# KiCad board pcb-panel.kicad_pcb (continued)
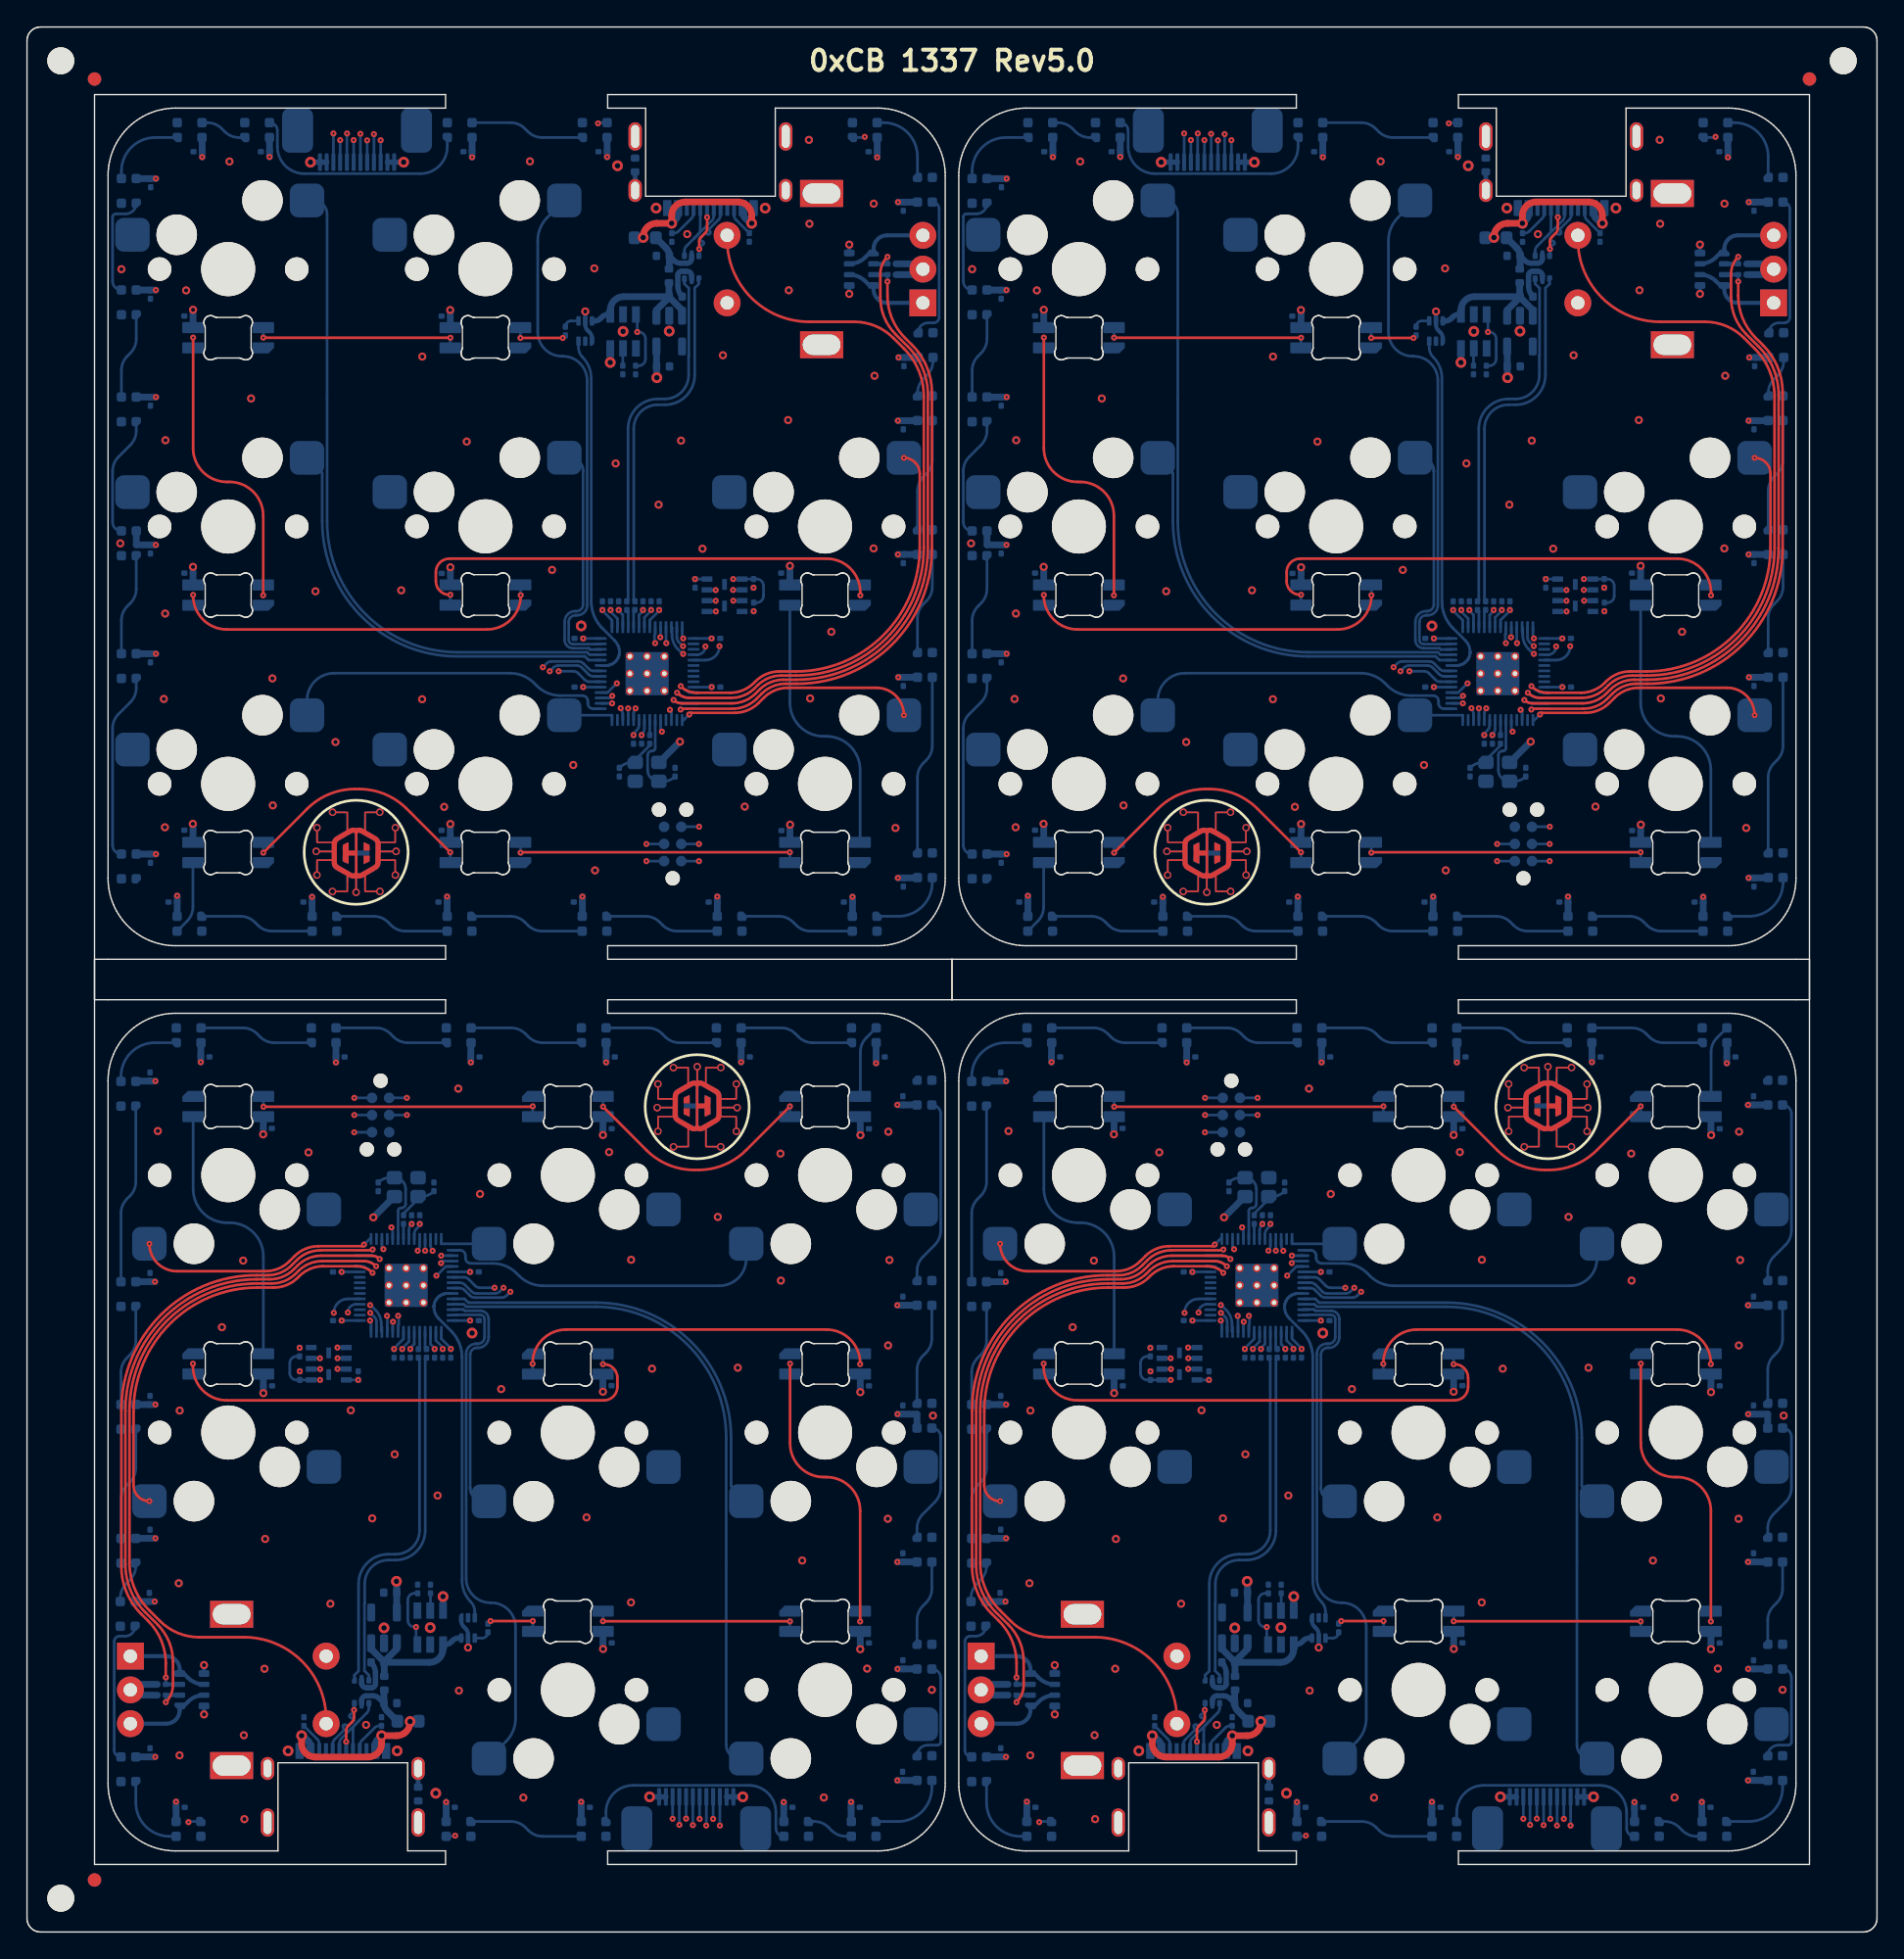
[diagram p0: board, top side]
## Placement (name value [footprint] x y rotation side) (continued)
D24#4  WS2812B  [LED_WS2812B-2020_PLCC4_2.0x2.0mm]  70.51 62.04 90 bottom
D25  WS2812B  [LED_WS2812B-2020_PLCC4_2.0x2.0mm]  66.46 62.13 270 bottom
D25#2  WS2812B  [LED_WS2812B-2020_PLCC4_2.0x2.0mm]  129.46 62.13 270 bottom
D25#3  WS2812B  [LED_WS2812B-2020_PLCC4_2.0x2.0mm]  7.54 78.87 90 bottom
D25#4  WS2812B  [LED_WS2812B-2020_PLCC4_2.0x2.0mm]  70.54 78.87 90 bottom
D26  WS2812B  [LED_WS2812B-2020_PLCC4_2.0x2.0mm]  11.97 66.37 0 bottom
D26#2  WS2812B  [LED_WS2812B-2020_PLCC4_2.0x2.0mm]  74.97 66.37 0 bottom
D26#3  WS2812B  [LED_WS2812B-2020_PLCC4_2.0x2.0mm]  62.03 74.63 180 bottom
D26#4  WS2812B  [LED_WS2812B-2020_PLCC4_2.0x2.0mm]  125.03 74.63 180 bottom
D27  WS2812B  [LED_WS2812B-2020_PLCC4_2.0x2.0mm]  115.03 74.63 180 bottom
D27#2  WS2812B  [LED_WS2812B-2020_PLCC4_2.0x2.0mm]  84.97 66.37 0 bottom
D27#3  WS2812B  [LED_WS2812B-2020_PLCC4_2.0x2.0mm]  52.03 74.63 180 bottom
D27#4  WS2812B  [LED_WS2812B-2020_PLCC4_2.0x2.0mm]  21.97 66.37 0 bottom
D28  WS2812B  [LED_WS2812B-2020_PLCC4_2.0x2.0mm]  42.03 74.63 180 bottom
D28#2  WS2812B  [LED_WS2812B-2020_PLCC4_2.0x2.0mm]  94.97 66.37 0 bottom
D28#3  WS2812B  [LED_WS2812B-2020_PLCC4_2.0x2.0mm]  105.03 74.63 180 bottom
D28#4  WS2812B  [LED_WS2812B-2020_PLCC4_2.0x2.0mm]  31.97 66.37 0 bottom
D29  WS2812B  [LED_WS2812B-2020_PLCC4_2.0x2.0mm]  41.97 66.37 0 bottom
D29#2  WS2812B  [LED_WS2812B-2020_PLCC4_2.0x2.0mm]  95.03 74.63 180 bottom
D29#3  WS2812B  [LED_WS2812B-2020_PLCC4_2.0x2.0mm]  32.03 74.63 180 bottom
D29#4  WS2812B  [LED_WS2812B-2020_PLCC4_2.0x2.0mm]  104.97 66.37 0 bottom
D30  WS2812B  [LED_WS2812B-2020_PLCC4_2.0x2.0mm]  22.03 74.63 180 bottom
D30#2  WS2812B  [LED_WS2812B-2020_PLCC4_2.0x2.0mm]  51.97 66.37 0 bottom
D30#3  WS2812B  [LED_WS2812B-2020_PLCC4_2.0x2.0mm]  85.03 74.63 180 bottom
D30#4  WS2812B  [LED_WS2812B-2020_PLCC4_2.0x2.0mm]  114.97 66.37 0 bottom
D31  WS2812B  [LED_WS2812B-2020_PLCC4_2.0x2.0mm]  75.03 74.63 180 bottom
D31#2  WS2812B  [LED_WS2812B-2020_PLCC4_2.0x2.0mm]  61.97 66.37 0 bottom
D31#3  WS2812B  [LED_WS2812B-2020_PLCC4_2.0x2.0mm]  124.97 66.37 0 bottom
D31#4  WS2812B  [LED_WS2812B-2020_PLCC4_2.0x2.0mm]  12.03 74.63 180 bottom
F1  1A  [Fuse_0603_1608Metric]  28.22 15.6 180 bottom
F1#2  1A  [Fuse_0603_1608Metric]  45.78 125.4 0 bottom
F1#3  1A  [Fuse_0603_1608Metric]  91.22 15.6 180 bottom
F1#4  1A  [Fuse_0603_1608Metric]  108.78 125.4 0 bottom
FB1  600R  [R_0402_1005Metric]  45.03 130.79 90 bottom
FB1#2  600R  [R_0402_1005Metric]  108.03 130.79 90 bottom
FB1#3  600R  [R_0402_1005Metric]  91.97 10.21 270 bottom
FB1#4  600R  [R_0402_1005Metric]  28.97 10.21 270 bottom
FB2  600R  [R_0402_1005Metric]  47.54 122.58 270 bottom
FB2#2  600R  [R_0402_1005Metric]  110.54 122.58 270 bottom
FB2#3  600R  [R_0402_1005Metric]  26.46 18.42 90 bottom
FB2#4  600R  [R_0402_1005Metric]  89.46 18.42 90 bottom
G***  -  [LOGO]  33.95 113.57 180 bottom
G***#2  -  [LOGO]  40.05 27.43 0 bottom
G***#3  -  [LOGO]  103.05 27.43 0 bottom
G***#4  -  [LOGO]  96.95 113.57 180 bottom
G***#5  LOGO  [logo]  87.37 79.92 180 bottom
G***#6  LOGO  [logo]  24.37 79.92 180 bottom
G***#7  LOGO  [logo]  112.63 61.08 0 bottom
G***#8  LOGO  [logo]  49.63 61.08 0 bottom
J1  USB_C_Receptacle_USB2.0  [GT-USB-7014C]  113.59 130.25 0 bottom
J1#2  USB_C_Receptacle_USB2.0  [GT-USB-7014C]  50.59 130.25 0 bottom
J1#3  USB_C_Receptacle_USB2.0  [GT-USB-7014C]  86.41 10.75 180 bottom
J1#4  USB_C_Receptacle_USB2.0  [GT-USB-7014C]  23.41 10.75 180 bottom
J2  FPC  [FFC-SMD_12P-P0.50_X05B20U12T]  24.44 132.17 0 bottom
J2#2  FPC  [FFC-SMD_12P-P0.50_X05B20U12T]  87.44 132.17 0 bottom
J2#3  FPC  [FFC-SMD_12P-P0.50_X05B20U12T]  49.56 8.83 180 bottom
J2#4  FPC  [FFC-SMD_12P-P0.50_X05B20U12T]  112.56 8.83 180 bottom
J3  J-LINK_6-PIN_NEEDLE_ADAPTER  [J-LINK_6-PIN_NEEDLE_ADAPTER_SMALL]  110.82 80.53 90 bottom
J3#2  J-LINK_6-PIN_NEEDLE_ADAPTER  [J-LINK_6-PIN_NEEDLE_ADAPTER_SMALL]  26.18 60.47 270 bottom
J3#3  J-LINK_6-PIN_NEEDLE_ADAPTER  [J-LINK_6-PIN_NEEDLE_ADAPTER_SMALL]  89.18 60.47 270 bottom
J3#4  J-LINK_6-PIN_NEEDLE_ADAPTER  [J-LINK_6-PIN_NEEDLE_ADAPTER_SMALL]  47.82 80.53 90 bottom
kibuzzard-1  G***  [kibuzzard-61BA68AC]  90.45 28.49 0 bottom
kibuzzard-1#2  G***  [kibuzzard-61BA68AC]  27.45 28.49 0 bottom
kibuzzard-1#3  G***  [kibuzzard-61BA68AC]  109.55 112.51 180 bottom
kibuzzard-1#4  G***  [kibuzzard-61BA68AC]  46.55 112.51 180 bottom
MX1  MX  [SW_Hotswap_Kailh_1.00u]  14.9 123.08 180 bottom
MX1#2  MX  [SW_Hotswap_Kailh_1.00u]  59.1 17.92 0 bottom
MX1#3  MX  [SW_Hotswap_Kailh_1.00u]  77.9 123.08 180 bottom
MX1#4  MX  [SW_Hotswap_Kailh_1.00u]  122.1 17.92 0 bottom
MX2  MX  [SW_Hotswap_Kailh_1.00u]  40.05 17.92 0 bottom
MX2#2  MX  [SW_Hotswap_Kailh_1.00u]  96.95 123.08 180 bottom
MX2#3  MX  [SW_Hotswap_Kailh_1.00u]  103.05 17.92 0 bottom
MX2#4  MX  [SW_Hotswap_Kailh_1.00u]  33.95 123.08 180 bottom
MX3  -  [EC11]  70.65 20.42 0 top
MX3#2  -  [EC11]  129.35 120.58 180 top
MX3#3  -  [EC11]  7.65 20.42 0 top
MX3#4  -  [EC11]  66.35 120.58 180 top
MX4  MX  [SW_Hotswap_Kailh_1.00u]  14.9 104.03 180 bottom
MX4#2  MX  [SW_Hotswap_Kailh_1.00u]  77.9 104.03 180 bottom
MX4#3  MX  [SW_Hotswap_Kailh_1.00u]  59.1 36.97 0 bottom
MX4#4  MX  [SW_Hotswap_Kailh_1.00u]  122.1 36.97 0 bottom
MX5  MX  [SW_Hotswap_Kailh_1.00u]  33.95 104.04 180 bottom
MX5#2  MX  [SW_Hotswap_Kailh_1.00u]  96.95 104.04 180 bottom
MX5#3  MX  [SW_Hotswap_Kailh_1.00u]  40.05 36.96 0 bottom
MX5#4  MX  [SW_Hotswap_Kailh_1.00u]  103.05 36.96 0 bottom
MX6  MX  [SW_Hotswap_Kailh_1.00u]  122.1 104.03 180 bottom
MX6#2  MX  [SW_Hotswap_Kailh_1.00u]  59.1 104.03 180 bottom
MX6#3  MX  [SW_Hotswap_Kailh_1.00u]  14.9 36.97 0 bottom
MX6#4  MX  [SW_Hotswap_Kailh_1.00u]  77.9 36.97 0 bottom
MX7  MX  [SW_Hotswap_Kailh_1.00u]  14.9 84.98 180 bottom
MX7#2  MX  [SW_Hotswap_Kailh_1.00u]  77.9 84.98 180 bottom
MX7#3  MX  [SW_Hotswap_Kailh_1.00u]  59.1 56.02 0 bottom
MX7#4  MX  [SW_Hotswap_Kailh_1.00u]  122.1 56.02 0 bottom
MX8  MX  [SW_Hotswap_Kailh_1.00u]  103.05 56.02 0 bottom
MX8#2  MX  [SW_Hotswap_Kailh_1.00u]  96.95 84.98 180 bottom
MX8#3  MX  [SW_Hotswap_Kailh_1.00u]  33.95 84.98 180 bottom
MX8#4  MX  [SW_Hotswap_Kailh_1.00u]  40.05 56.02 0 bottom
MX9  MX  [SW_Hotswap_Kailh_1.00u]  59.1 84.98 180 bottom
MX9#2  MX  [SW_Hotswap_Kailh_1.00u]  14.9 56.02 0 bottom
MX9#3  MX  [SW_Hotswap_Kailh_1.00u]  77.9 56.02 0 bottom
MX9#4  MX  [SW_Hotswap_Kailh_1.00u]  122.1 84.98 180 bottom
R1  5k1  [R_0201_0603Metric]  53.49 125.43 90 bottom
R1#2  5k1  [R_0201_0603Metric]  116.49 125.43 90 bottom
R1#3  5k1  [R_0201_0603Metric]  20.51 15.57 270 bottom
R1#4  5k1  [R_0201_0603Metric]  83.51 15.57 270 bottom
R2  5k1  [R_0201_0603Metric]  47.75 125.42 90 bottom
R2#2  5k1  [R_0201_0603Metric]  26.25 15.58 270 bottom
R2#3  5k1  [R_0201_0603Metric]  110.75 125.42 90 bottom
R2#4  5k1  [R_0201_0603Metric]  89.25 15.58 270 bottom
R3  27R  [R_0201_0603Metric]  102.87 118.5 270 bottom
R3#2  27R  [R_0201_0603Metric]  39.87 118.5 270 bottom
R3#3  27R  [R_0201_0603Metric]  97.13 22.5 90 bottom
R3#4  27R  [R_0201_0603Metric]  34.13 22.5 90 bottom
R4  10k  [R_0201_0603Metric]  108.07 115.61 90 bottom
R4#2  10k  [R_0201_0603Metric]  28.93 25.39 270 bottom
R4#3  10k  [R_0201_0603Metric]  45.07 115.61 90 bottom
R4#4  10k  [R_0201_0603Metric]  91.93 25.39 270 bottom
R5  75k  [R_0201_0603Metric]  44.12 115.62 270 bottom
R5#2  75k  [R_0201_0603Metric]  107.12 115.62 270 bottom
R5#3  75k  [R_0201_0603Metric]  29.88 25.38 90 bottom
R5#4  75k  [R_0201_0603Metric]  92.88 25.38 90 bottom
R6  1k  [R_0201_0603Metric]  83.19 42.92 90 bottom
R6#2  1k  [R_0201_0603Metric]  20.19 42.92 90 bottom
R6#3  1k  [R_0201_0603Metric]  116.81 98.08 270 bottom
R6#4  1k  [R_0201_0603Metric]  53.81 98.08 270 bottom
R7  10k  [R_0201_0603Metric]  20.2 41.18 270 bottom
R7#2  10k  [R_0201_0603Metric]  116.8 99.82 90 bottom
R7#3  10k  [R_0201_0603Metric]  83.2 41.18 270 bottom
R7#4  10k  [R_0201_0603Metric]  53.8 99.82 90 bottom
R8  27R  [R_0201_0603Metric]  108.02 98.18 270 bottom
R8#2  27R  [R_0201_0603Metric]  28.98 42.82 90 bottom
R8#3  27R  [R_0201_0603Metric]  45.02 98.18 270 bottom
R8#4  27R  [R_0201_0603Metric]  91.98 42.82 90 bottom
R9  27R  [R_0201_0603Metric]  44.42 98.17 270 bottom
R9#2  27R  [R_0201_0603Metric]  107.42 98.17 270 bottom
R9#3  27R  [R_0201_0603Metric]  29.58 42.83 90 bottom
R9#4  27R  [R_0201_0603Metric]  92.58 42.83 90 bottom
R10  1k  [R_0201_0603Metric]  27.88 52.73 270 bottom
R10#2  1k  [R_0201_0603Metric]  90.88 52.73 270 bottom
R10#3  1k  [R_0201_0603Metric]  46.12 88.27 90 bottom
R10#4  1k  [R_0201_0603Metric]  109.12 88.27 90 bottom
REF**  -  [Fiducial]  132 137.15 0 top
REF**#2  -  [Fiducial]  5 3.85 0 top
REF**#3  -  [Fiducial]  5 137.15 0 top
REF**#4  -  [NPTH]  134.5 138.5 0 top
REF**#5  -  [NPTH]  2.5 2.5 0 top
REF**#6  -  [NPTH]  2.5 138.5 0 top
REF**#7  -  [Fiducial]  5 3.85 0 bottom
REF**#8  -  [Fiducial]  132 137.15 0 bottom
REF**#9  -  [Fiducial]  5 137.15 0 bottom
REF**#10  -  [OSHW-Symbol_6.7x6mm_SilkScreen]  24.43 113.59 180 bottom
REF**#11  -  [OSHW-Symbol_6.7x6mm_SilkScreen]  87.43 113.59 180 bottom
REF**#12  -  [OSHW-Symbol_6.7x6mm_SilkScreen]  49.57 27.41 0 bottom
REF**#13  -  [OSHW-Symbol_6.7x6mm_SilkScreen]  112.57 27.41 0 bottom
RN1  10k  [R_Array_Convex_4x0603]  75.21 17.93 0 bottom
RN1#2  10k  [R_Array_Convex_4x0603]  124.79 123.07 180 bottom
RN1#3  10k  [R_Array_Convex_4x0603]  12.21 17.93 0 bottom
RN1#4  10k  [R_Array_Convex_4x0603]  61.79 123.07 180 bottom
U1  USBLC6-2P6  [SOT-666]  87.78 17.78 270 bottom
U1#2  USBLC6-2P6  [SOT-666]  112.22 123.22 90 bottom
U1#3  USBLC6-2P6  [SOT-666]  24.78 17.78 270 bottom
U1#4  USBLC6-2P6  [SOT-666]  49.22 123.22 90 bottom
U2  XC6210B332MR-G  [SOT-23-5]  89.44 22.51 90 bottom
U2#2  XC6210B332MR-G  [SOT-23-5]  47.56 118.49 270 bottom
U2#3  XC6210B332MR-G  [SOT-23-5]  110.56 118.49 270 bottom
U2#4  XC6210B332MR-G  [SOT-23-5]  26.44 22.51 90 bottom
U3  TPS2553DBVR  [SOT95P280X145-6N]  107.14 118.47 270 bottom
U3#2  TPS2553DBVR  [SOT95P280X145-6N]  92.86 22.53 90 bottom
U3#3  TPS2553DBVR  [SOT95P280X145-6N]  29.86 22.53 90 bottom
U3#4  TPS2553DBVR  [SOT95P280X145-6N]  44.14 118.47 270 bottom
U4  74LVC1T45  [SOT-563]  104.34 118.5 90 bottom
U4#2  74LVC1T45  [SOT-563]  32.66 22.5 270 bottom
U4#3  74LVC1T45  [SOT-563]  41.34 118.5 90 bottom
U4#4  74LVC1T45  [SOT-563]  95.66 22.5 270 bottom
U5  -  [W25Q32JVUUIQ]  85.34 42.05 90 bottom
U5#2  -  [W25Q32JVUUIQ]  51.66 98.95 270 bottom
U5#3  -  [W25Q32JVUUIQ]  114.66 98.95 270 bottom
U5#4  -  [W25Q32JVUUIQ]  22.34 42.05 90 bottom
U6  RP2040  [RP2040-QFN-56]  91.08 47.86 0 bottom
U6#2  RP2040  [RP2040-QFN-56]  108.92 93.14 180 bottom
U6#3  RP2040  [RP2040-QFN-56]  45.92 93.14 180 bottom
U6#4  RP2040  [RP2040-QFN-56]  28.08 47.86 0 bottom
Y1  12MHz  [Crystal_SMD_2520-4Pin_2.5x2.0mm]  45.92 85.87 0 bottom
Y1#2  12MHz  [Crystal_SMD_2520-4Pin_2.5x2.0mm]  108.92 85.87 0 bottom
Y1#3  12MHz  [Crystal_SMD_2520-4Pin_2.5x2.0mm]  28.08 55.13 180 bottom
Y1#4  12MHz  [Crystal_SMD_2520-4Pin_2.5x2.0mm]  91.08 55.13 180 bottom

## Library data of the parts
C1 C1#2-C1#4 C2 C2#2-C2#4 C3 C3#2-C3#4 C4 C4#2-C4#4 C5 C5#2-C5#4 C6 C6#2-C6#4 C7 C7#2-C7#4 C8 C8#2-C8#4 C9 C9#2-C9#4 C12 C12#2-C12#4 C13 C13#2-C13#4 C14 C14#2-C14#4 C15 C15#2-C15#4 C16 C16#2-C16#4 C18 C18#2-C18#4 C19 C19#2-C19#4 C20 C20#2-C20#4 C21 C21#2-C21#4 C23 C23#2-C23#4 C25 C25#2-C25#4 C27 C27#2-C27#4 C28 C28#2-C28#4 C29 C29#2-C29#4 C30 C30#2-C30#4 C31 C31#2-C31#4 C32 C32#2-C32#4 C33 C33#2-C33#4 C34 C34#2-C34#4 C35 C35#2-C35#4 C36 C36#2-C36#4 C38 C38#2-C38#4 C39 C39#2-C39#4 C41 C41#2-C41#4 C42 C42#2-C42#4 C43 C43#2-C43#4 C44 C44#2-C44#4 C45 C45#2-C45#4 C46 C46#2-C46#4 C47 C47#2-C47#4 C48 C48#2-C48#4 C49 C49#2-C49#4 C50 C50#2-C50#4 C51 C51#2-C51#4 = -: Description: Unpolarized capacitor; JLC Basic: Y; LCSC: C576431; MPN : CL05B104KO5NNNC; Manufacturer: Samsung Electro-Mechanics; Substitute: Y
C10 C10#2-C10#4 C11 C11#2-C11#4 C17 C17#2-C17#4 = -: Description: Unpolarized capacitor; JLC Basic: Y; LCSC: C15525; MPN : CL05A106MQ5NUNC; Manufacturer: Samsung Electro-Mechanics; Substitute: Y
C22 C22#2-C22#4 C26 C26#2-C26#4 = -: Description: Unpolarized capacitor; JLC Basic: Y; LCSC: C237458; MPN : CL05A105KA5NQNC; Manufacturer: Samsung Electro-Mechanics; Substitute: Y
C24 C24#2-C24#4 = -: Description: Unpolarized capacitor; LCSC: C576431; MPN : CL05B104KO5NNNC; Manufacturer: Samsung Electro-Mechanics
C37 C37#2-C37#4 C40 C40#2-C40#4 = -: Description: Unpolarized capacitor; JLC Basic: Y; LCSC: C85891; MPN : 0402CG150J500NT; Manufacturer: FH(Guangdong Fenghua Advanced Tech); Substitute: Y
D1 D1#2-D1#4 D2 D2#2-D2#4 D3 D3#2-D3#4 D4 D4#2-D4#4 D5 D5#2-D5#4 D6 D6#2-D6#4 D7 D7#2-D7#4 D8 D8#2-D8#4 = -: Description: SK6812MINI-E RGB LED; LCSC: C5149201; Field5: 1
D9 D9#2-D9#4 D10 D10#2-D10#4 D11 D11#2-D11#4 D12 D12#2-D12#4 D13 D13#2-D13#4 D14 D14#2-D14#4 D15 D15#2-D15#4 D16 D16#2-D16#4 D17 D17#2-D17#4 D18 D18#2-D18#4 D19 D19#2-D19#4 D20 D20#2-D20#4 D21 D21#2-D21#4 D22 D22#2-D22#4 D23 D23#2-D23#4 D24 D24#2-D24#4 D25 D25#2-D25#4 D26 D26#2-D26#4 D27 D27#2-D27#4 D28 D28#2-D28#4 D29 D29#2-D29#4 D30 D30#2-D30#4 D31 D31#2-D31#4 = -: Description: RGB LED with integrated controller; LCSC: C2976072; MPN : WS2812B-2020; Manufacturer: Worldsemi
F1 F1#2-F1#4 = -: Description: Resettable fuse, polymeric positive temperature coefficient, small symbol; JLC Basic: N; LCSC: C210357; MPN : MF-FSMF050X-2; Manufacturer: BOURNS; Substitute: Y
FB1 FB1#2-FB1#4 FB2 FB2#2-FB2#4 = -: Description: Ferrite bead, small symbol; JLC Basic: N; LCSC: C88960; MPN : BLM15PX601SN1D; Manufacturer: Murata Electronics; Substitute: Y
J1 J1#2-J1#4 = -: Description: USB 2.0-only Type-C Receptacle connector; JLC Basic: N; LCSC: C963373; MPN : GT-USB-7014C; Manufacturer: G-Switch; Substitute: N
J2 J2#2-J2#4 = -: Description: Generic connector, single row, 01x12, script generated; LCSC: C388698
J3 J3#2-J3#4 = -: MPN : TC2030-ALT-NL; Manufacturer: Tag Connect
MX1 MX1#2-MX1#4 MX2 MX2#2-MX2#4 MX4 MX4#2-MX4#4 MX5 MX5#2-MX5#4 MX6 MX6#2-MX6#4 MX7 MX7#2-MX7#4 MX8 MX8#2-MX8#4 MX9 MX9#2-MX9#4 = -: LCSC: C5156480
MX3 MX3#2-MX3#4 = -: Description: Rotary encoder, dual channel, incremental quadrate outputs, with switch; Alt Part Nb.: C278348; Another Part Nb.: -; LCSC: C143817; Part Nb.: PEC11L-4125F-S0020-ND
R1 R1#2-R1#4 R2 R2#2-R2#4 = -: Description: Resistor; JLC Basic: Y; LCSC: C473460; MPN : 0402WGF5101TCE; Manufacturer: UNI-ROYAL(Uniroyal Elec); Substitute: Y
R3 R3#2-R3#4 R8 R8#2-R8#4 R9 R9#2-R9#4 = -: Description: Resistor; JLC Basic: N; LCSC: C273295; MPN : 0402WGF270JTCE; Manufacturer: UNI-ROYAL(Uniroyal Elec); Substitute: Y
R4 R4#2-R4#4 R7 R7#2-R7#4 = -: Description: Resistor; JLC Basic: Y; LCSC: C138117; MPN : 0402WGF1002TCE; Manufacturer: UNI-ROYAL(Uniroyal Elec); Substitute: Y
R5 R5#2-R5#4 = -: Description: Resistor; JLC Basic: Y; LCSC: C25744; MPN : 0402WGF1002TCE; Manufacturer: UNI-ROYAL(Uniroyal Elec); Substitute: Y
R6 R6#2-R6#4 = -: Description: Resistor; LCSC: C11702; MPN : 0402WGF1001TCE; Manufacturer: UNI-ROYAL(Uniroyal Elec)
R10 R10#2-R10#4 = -: Description: Resistor; JLC Basic: Y; LCSC: C11702; MPN : 0402WGF1001TCE; Manufacturer: UNI-ROYAL(Uniroyal Elec); Substitute: Y
RN1 RN1#2-RN1#4 = -: Description: 4 resistor network, parallel topology, split; Alt Part Nb.: C109324; LCSC: C914793; Part Nb.: MNR14103RTR-ND
U1 U1#2-U1#4 = -: Description: Very low capacitance ESD protection diode, 2 data-line, SOT-666; JLC Basic: N; JLCPCB_CORRECTION: 0; 0; 270; LCSC: C2827693; Manufacturer: TECH PUBLIC; Substitute: N
U2 U2#2-U2#4 = -: Description: 600mA low dropout linear regulator, with enable pin, 3.8V-6V input voltage range, 3.3V fixed positive output, SOT-23-5; JLCPCB_CORRECTION: 0; 0; 180; LCSC: C47719; Manufacturer: Torex Semiconductor
U3 U3#2-U3#4 = -: LCSC: C55266
U4 U4#2-U4#4 = -: Description: Single-Bit Dual-Supply Bus Transceiver With Configurable Voltage Translation and 3-State Outputs, SOT-563; JLC Basic: N; LCSC: C352970; MPN : SN74LVC1T45DRLR; Manufacturer: Texas Instruments; Substitute: N
U5 U5#2-U5#4 = -: Description: 4MB flash; JLCPCB_CORRECTION: 0; 0; 90; LCSC: C2999380; Manufacturer: Winbond
U6 U6#2-U6#4 = -: JLC Basic: N; JLCPCB_CORRECTION: 0; 0; 180; LCSC: C2040; Manufacturer: Raspberry Pi; Substitute: N
Y1 Y1#2-Y1#4 = -: Description: Four pin crystal, GND on pins 2 and 4, small symbol; JLC Basic: N; JLCPCB_CORRECTION: 0; 0; 270; LCSC: C2149204; MPN : 2TJ412000HYGBC; Manufacturer: JYJE; Substitute: N

## Footprints (pads in the part's own frame, mm; a bottom-side part is the same pattern mirrored in y, then rotated)
C_0201_0603Metric
  rrect 0.318x0.36 smd: (-0.345,0) (0.345,0)
  rrect 0.46x0.4 smd: 1(-0.32,0) 2(0.32,0)
C_0402_1005Metric
  rrect 0.56x0.62 smd: 1(-0.48,0) 2(0.48,0)
Crystal_SMD_2520-4Pin_2.5x2.0mm
  rrect 1.15x1 smd: 1(-0.875,-0.7) 2(0.875,-0.7) 3(0.875,0.7) 4(-0.875,0.7)
EC11
  rect 2x2 hole 1: A(0,0)
  round 2 hole 1: B(0,-5) C(0,-2.5) S1(14.5,-5) S2(14.5,0)
  rect 3.2x2 hole 2.8x1.5: MP(7.5,3.1) MP(7.5,-8.1)
FFC-SMD_12P-P0.50_X05B20U12T
  rrect 0.3x1.3 smd: 1(-2.75,1.175) 2(-2.25,1.175) 3(-1.75,1.175) 4(-1.25,1.175) 5(-0.75,1.175) 6(-0.25,1.175) 7(0.25,1.175) 8(0.75,1.175) 9(1.25,1.175) 10(1.75,1.175) 11(2.25,1.175) 12(2.75,1.175)
  rrect 2.3x3.3 smd: 13(4.4,-1.175) 14(-4.4,-1.175)
Fiducial
  round 1 smd: (0,0)
Fuse_0603_1608Metric
  rrect 0.875x0.95 smd: 1(-0.787,0) 2(0.787,0)
GT-USB-7014C
  rect 0.6x1.15 smd: A1(-3.175,2.65) A4(-2.375,2.65) A9(2.425,2.65) A12(3.225,2.65) B1(3.225,2.65) B4(2.425,2.65) B9(-2.375,2.65) B12(-3.175,2.65)
  rect 0.3x1.15 smd: A5(-1.225,2.65) A6(-0.225,2.65) A7(0.275,2.65) A8(1.275,2.65) B5(1.775,2.65) B6(0.775,2.65) B7(-0.725,2.65) B8(-1.725,2.65)
  oval 1x1.7 hole 0.6x1.3: S1(-5.55,1.35) S2(5.6,1.35)
  oval 1x2.1 hole 0.6x1.7: S3(5.6,-2.65) S4(-5.55,-2.65)
J-LINK_6-PIN_NEEDLE_ADAPTER_SMALL
  round 1.067 hole 1.067 unplated: (-2.54,0) (2.54,-1.016) (2.54,1.016)
  round 0.787 smd: 1(-1.27,-0.635) 2(-1.27,0.635) 3(0,-0.635) 4(0,0.635) 5(1.27,-0.635) 6(1.27,0.635)
LED_WS2812B-2020_PLCC4_2.0x2.0mm
  rrect 0.7x0.7 smd: 1(-0.915,0.55) 2(-0.915,-0.55) 3(0.915,-0.55) 4(0.915,0.55)
MX_SK6812MINI-E
  rrect 1.6x0.82 smd: 1(2.6,-4.33) 2(2.6,-5.83) 3(-2.6,-5.83) 4(-2.6,-4.33)
NPTH
  round 2 hole 2 unplated: (0,0)
R_0201_0603Metric
  rrect 0.318x0.36 smd: (-0.345,0) (0.345,0)
  rrect 0.46x0.4 smd: 1(-0.32,0) 2(0.32,0)
R_0402_1005Metric
  rrect 0.54x0.64 smd: 1(-0.51,0) 2(0.51,0)
R_Array_Convex_4x0603
  rrect 0.8x0.5 smd: 1(-0.9,1.2) 4(-0.9,-1.2) 5(0.9,-1.2) 8(0.9,1.2)
  rrect 0.8x0.4 smd: 2(-0.9,0.4) 3(-0.9,-0.4) 6(0.9,-0.4) 7(0.9,0.4)
RP2040-QFN-56
  rrect 1.084x1.084 smd: (-0.637,-0.637) (-0.637,0.637) (0.637,-0.637) (0.637,0.637)
  rrect 0.875x0.2 smd: 1(-3.438,2.6) 2(-3.438,2.2) 3(-3.438,1.8) 4(-3.438,1.4) 5(-3.438,1) 6(-3.438,0.6) 7(-3.438,0.2) 8(-3.438,-0.2) 9(-3.438,-0.6) 10(-3.438,-1) 11(-3.438,-1.4) 12(-3.438,-1.8) 13(-3.438,-2.2) 14(-3.438,-2.6) 29(3.438,-2.6) 30(3.438,-2.2) 31(3.438,-1.8) 32(3.438,-1.4) 33(3.438,-1) 34(3.438,-0.6) 35(3.438,-0.2) 36(3.438,0.2) 37(3.438,0.6) 38(3.438,1) 39(3.438,1.4) 40(3.438,1.8) 41(3.438,2.2) 42(3.438,2.6)
  rrect 0.2x0.875 smd: 15(-2.6,-3.438) 16(-2.2,-3.438) 17(-1.8,-3.438) 18(-1.4,-3.438) 19(-1,-3.438) 20(-0.6,-3.438) 21(-0.2,-3.438) 22(0.2,-3.438) 23(0.6,-3.438) 24(1,-3.438) 25(1.4,-3.438) 26(1.8,-3.438) 27(2.2,-3.438) 28(2.6,-3.438) 43(2.6,3.438) 44(2.2,3.438) 45(1.8,3.438) 46(1.4,3.438) 47(1,3.438) 48(0.6,3.438) 49(0.2,3.438) 50(-0.2,3.438) 51(-0.6,3.438) 52(-1,3.438) 53(-1.4,3.438) 54(-1.8,3.438) 55(-2.2,3.438) 56(-2.6,3.438)
  round 0.6 hole 0.35: 57(-1.275,-1.275) 57(-1.275,0) 57(-1.275,1.275) 57(0,-1.275) 57(0,0) 57(0,1.275) 57(1.275,-1.275) 57(1.275,0) 57(1.275,1.275)
  rrect 3.2x3.2 smd: 57(0,0)
SOT95P280X145-6N
  rrect 1.21x0.58 smd: 1(-1.255,0.95) 2(-1.255,0) 3(-1.255,-0.95) 4(1.255,-0.95) 5(1.255,0) 6(1.255,0.95)
SOT-23-5
  rrect 1.325x0.6 smd: 1(-1.137,0.95) 2(-1.137,0) 3(-1.137,-0.95) 4(1.137,-0.95) 5(1.137,0.95)
SOT-563
  rrect 0.7x0.34 smd: 1(-0.75,0.5) 2(-0.75,0) 3(-0.75,-0.5) 4(0.75,-0.5) 5(0.75,0) 6(0.75,0.5)
SOT-666
  rrect 0.5x0.375 smd: 1(-0.85,0.537) 3(-0.85,-0.537) 4(0.85,-0.537) 6(0.85,0.537)
  rrect 0.65x0.3 smd: 2(-0.925,0) 5(0.925,0)
SW_Hotswap_Kailh_1.00u
  round 1.75 hole 1.75 unplated: (-5.08,0) (5.08,0)
  round 3 hole 3 unplated: (-2.54,5.08) (3.81,2.54)
  round 4 hole 4 unplated: (0,0)
  rrect 2.55x2.5 smd: 1(7.085,2.54) 2(-5.842,5.08)
W25Q32JVUUIQ
  rect 0.4x0.8 smd: 1(-1.188,-1.3) 2(-0.388,-1.3) 3(0.412,-1.3) 4(1.212,-1.3) 5(1.212,1.3) 6(0.412,1.3) 7(-0.388,1.3) 8(-1.188,1.3)
  rect 0.8x0.35 smd: 9(-0.79,0) 10(0.81,0)

## Nets
Board_0-+1V1: C22.2 C25.1 C39#4.1 U6#3.23 U6#3.45 U6#3.50
Board_0-+3V3: C17.1 C21#4.1 C23.1 C24.1 C26#2.2 C27.1 C32.1 C33.1 C34.1 C35#4.1 C38#4.1 J2.11 J2.12 J3#4.1 R7#4.1 RN1#4.5 RN1#4.8 U2#2.5 U4#3.1 U4#3.5 U5#2.8 U6#3.1 U6#3.10 U6#3.22 U6#3.33 U6#3.42 U6#3.43 U6#3.44 U6#3.48 U6#3.49
Board_0-+5V: C11#4.1 FB2.2 U2#2.1 U2#2.3 U3#4.1 U4#3.6
Board_0-/BOOT: J3#4.6 R6#4.2
Board_0-/D+: R8#3.2 U6#3.47
Board_0-/D-: R9.2 U6#3.46
Board_0-/EA: C7#4.1 RN1#4.2 U6#3.13
Board_0-/EB: C8#3.1 RN1#4.3 U6#3.14
Board_0-/LIM_EN: R4#3.2 U3#4.3 U6#3.17
Board_0-/PORT+: J1#2.A6 J1#2.B6 U1#4.6
Board_0-/PORT-: J1#2.A7 J1#2.B7 U1#4.4
Board_0-/QSPI_CLK: U5#2.6 U6#3.52
Board_0-/QSPI_CS: R6#4.1 R7#4.2 U5#2.1 U6#3.56
Board_0-/QSPI_SD0: U5#2.5 U6#3.53
Board_0-/QSPI_SD1: U5#2.2 U6#3.55
Board_0-/QSPI_SD2: U5#2.3 U6#3.54
Board_0-/QSPI_SD3: U5#2.7 U6#3.51
Board_0-/RGB_5V: D2#2.4 R3#2.2
Board_0-/RGB_DO: U4#3.3 U6#3.37
Board_0-/RGB_PWR: C1.1 C2.1 C3#4.1 C4.1 C5#4.1 C6.1 C9.1 C12#3.1 C13.1 C14#4.1 C15#2.1 C16.1 C18.1 C19#4.1 C20#4.1 C28#4.1 C29.1 C30#2.1 C31#2.1 C36#3.1 C41.1 C42.1 C43#4.1 C44#3.1 C45.1 C46#2.1 C47#3.1 C48.1 C49#4.1 C50#2.1 C51.1 D1.1 D2#2.1 D3.1 D4.1 D5#4.1 D6.1 D7#4.1 D8#2.1 D9#2.4 D10.4 D11#3.4 D12.4 D13#3.4 D14#4.4 D15#3.4 D16#4.4 D17.4 D18#2.4 D19#2.4 D20#2.4 D21.4 D22#2.4 D23.4 D24.4 D25#3.4 D26#3.4 D27#3.4 D28.4 D29#3.4 D30.4 D31#4.4 U3#4.6
Board_0-/RST: J3#4.3 U6#3.26
Board_0-/S1: MX1.2 U6#3.39
Board_0-/S2: MX2#4.2 U6#3.41
Board_0-/S3: MX3#4.S1 U6#3.12
Board_0-/S4: MX4.2 U6#3.38
Board_0-/S5: MX5.2 U6#3.40
Board_0-/S6: MX6#2.2 U6#3.11
Board_0-/S7: MX7.2 U6#3.29
Board_0-/S8: MX8#3.2 U6#3.28
Board_0-/S9: MX9.2 U6#3.15
Board_0-/SCL1: J2.4 U6#3.5
Board_0-/SDA1: J2.3 U6#3.4
Board_0-/SPI0_CS: J2.5 U6#3.32
Board_0-/SPI0_DC: J2.6 U6#3.30
Board_0-/SPI0_RST: J2.9 U6#3.36
Board_0-/SPI0_SCK: J2.10 U6#3.34
Board_0-/SPI0_SDI: J2.8 U6#3.31
Board_0-/SPI0_SDO: J2.7 U6#3.35
Board_0-/SWD_CLK: J3#4.4 U6#3.24
Board_0-/SWD_IO: J3#4.2 U6#3.25
Board_0-/USB+: R8#3.1 U1#4.1
Board_0-/USB-: R9.1 U1#4.3
Board_0-GND: C1.2 C2.2 C3#4.2 C4.2 C5#4.2 C6.2 C7#4.2 C8#3.2 C9.2 C10.2 C11#4.2 C12#3.2 C13.2 C14#4.2 C15#2.2 C16.2 C17.2 C18.2 C19#4.2 C20#4.2 C21#4.2 C22.1 C23.2 C24.2 C25.2 C26#2.1 C27.2 C28#4.2 C29.2 C30#2.2 C31#2.2 C32.2 C33.2 C34.2 C35#4.2 C36#3.2 C37#2.1 C38#4.2 C39#4.2 C40.1 C41.2 C42.2 C43#4.2 C44#3.2 C45.2 C46#2.2 C47#3.2 C48.2 C49#4.2 C50#2.2 C51.2 D1.3 D2#2.3 D3.3 D4.3 D5#4.3 D6.3 D7#4.3 D8#2.3 D9#2.2 D10.2 D11#3.2 D12.2 D13#3.2 D14#4.2 D15#3.2 D16#4.2 D17.2 D18#2.2 D19#2.2 D20#2.2 D21.2 D22#2.2 D23.2 D24.2 D25#3.2 D26#3.2 D27#3.2 D28.2 D29#3.2 D30.2 D31#4.2 FB1.2 J1#2.A1 J1#2.A12 J1#2.B1 J1#2.B12 J2.1 J2.2 J3#4.5 MX1.1 MX2#4.1 MX3#4.C MX3#4.S2 MX4.1 MX5.1 MX6#2.1 MX7.1 MX8#3.1 MX9.1 R1.1 R2.1 R4#3.1 R5.2 U1#4.2 U2#2.2 U3#4.2 U4#3.2 U5#2.4 U5#2.9 U5#2.10 U6#3.19 U6#3.57 Y1.2 Y1.4
Board_0-Net-(C40-Pad2): C40.2 R10#3.1 Y1.1
Board_0-Net-(D1-DIN): D1.4 D2#2.2
Board_0-Net-(D1-DOUT): D1.2 D3.4
Board_0-Net-(D3-DOUT): D3.2 D4.4
Board_0-Net-(D4-DOUT): D4.2 D5#4.4
Board_0-Net-(D5-DOUT): D5#4.2 D8#2.4
Board_0-Net-(D6-DIN): D6.4 D7#4.2
Board_0-Net-(D7-DIN): D7#4.4 D8#2.2
Board_0-Net-(D10-DIN): D9#2.1 D10.3
Board_0-Net-(D10-DOUT): D10.1 D11#3.3
Board_0-Net-(D11-DOUT): D11#3.1 D12.3
Board_0-Net-(D12-DOUT): D12.1 D13#3.3
Board_0-Net-(D13-DOUT): D13#3.1 D15#3.3
Board_0-Net-(D14-DIN): D14#4.3 D16#4.1
Board_0-Net-(D14-DOUT): D9#2.3 D14#4.1
Board_0-Net-(D15-DOUT): D15#3.1 D17.3
Board_0-Net-(D16-DIN): D16#4.3 D18#2.1
Board_0-Net-(D17-DOUT): D17.1 D19#2.3
Board_0-Net-(D18-DIN): D18#2.3 D20#2.1
Board_0-Net-(D19-DOUT): D19#2.1 D21.3
Board_0-Net-(D20-DIN): D20#2.3 D22#2.1
Board_0-Net-(D21-DOUT): D21.1 D23.3
Board_0-Net-(D22-DIN): D22#2.3 D24.1
Board_0-Net-(D23-DOUT): D23.1 D25#3.3
Board_0-Net-(D24-DIN): D24.3 D26#3.1
Board_0-Net-(D26-DIN): D26#3.3 D27#3.1
Board_0-Net-(D27-DIN): D27#3.3 D28.1
Board_0-Net-(D28-DIN): D28.3 D29#3.1
Board_0-Net-(D29-DIN): D29#3.3 D30.1
Board_0-Net-(D30-DIN): D30.3 D31#4.1
Board_0-Net-(D31-DIN): D6.2 D31#4.3
Board_0-Net-(F1-Pad1): F1#2.1 J1#2.A4 J1#2.A9 J1#2.B4 J1#2.B9
Board_0-Net-(J1-CC1): J1#2.A5 R2.2
Board_0-Net-(J1-CC2): J1#2.B5 R1.2
Board_0-Net-(J1-SHIELD): FB1.1 J1#2.S1
Board_0-Net-(RN1A-R1.1): MX3#4.B RN1#4.1 RN1#4.7
Board_0-Net-(RN1C-R3.2): MX3#4.A RN1#4.4 RN1#4.6
Board_0-Net-(U1-VBUS): C10.1 F1#2.2 FB2.1 U1#4.5
Board_0-Net-(U3-ILIM): R5.1 U3#4.5
Board_0-Net-(U4-B): R3#2.1 U4#3.4
Board_0-Net-(U6-XTAL_IN): C37#2.2 U6#3.20 Y1.3
Board_0-Net-(U6-XTAL_OUT): R10#3.2 U6#3.21
Board_0-unconnected-(D25-DOUT-Pad1): D25#3.1
Board_0-unconnected-(J1-SBU1-PadA8): J1#2.A8
Board_0-unconnected-(J1-SBU2-PadB8): J1#2.B8
Board_0-unconnected-(U2-NC-Pad4): U2#2.4
Board_0-unconnected-(U3-~{FAULT}-Pad4): U3#4.4
Board_0-unconnected-(U6-GPIO0-Pad2): U6#3.2
Board_0-unconnected-(U6-GPIO1-Pad3): U6#3.3
Board_0-unconnected-(U6-GPIO4-Pad6): U6#3.6
Board_0-unconnected-(U6-GPIO5-Pad7): U6#3.7
Board_0-unconnected-(U6-GPIO6-Pad8): U6#3.8
Board_0-unconnected-(U6-GPIO7-Pad9): U6#3.9
Board_0-unconnected-(U6-GPIO13-Pad16): U6#3.16
Board_0-unconnected-(U6-GPIO15-Pad18): U6#3.18
Board_0-unconnected-(U6-GPIO16-Pad27): U6#3.27
Board_1-+1V1: C22#2.2 C25#2.1 C39.1 U6#2.23 U6#2.45 U6#2.50
Board_1-+3V3: C17#2.1 C21.1 C23#2.1 C24#3.1 C26#3.2 C27#4.1 C32#3.1 C33#2.1 C34#3.1 C35#2.1 C38#3.1 J2#2.11 J2#2.12 J3.1 R7#2.1 RN1#2.5 RN1#2.8 U2#3.5 U4.1 U4.5 U5#3.8 U6#2.1 U6#2.10 U6#2.22 U6#2.33 U6#2.42 U6#2.43 U6#2.44 U6#2.48 U6#2.49
Board_1-+5V: C11#3.1 FB2#2.2 U2#3.1 U2#3.3 U3.1 U4.6
Board_1-/BOOT: J3.6 R6#3.2
Board_1-/D+: R8.2 U6#2.47
Board_1-/D-: R9#2.2 U6#2.46
Board_1-/EA: C7#3.1 RN1#2.2 U6#2.13
Board_1-/EB: C8#4.1 RN1#2.3 U6#2.14
Board_1-/LIM_EN: R4.2 U3.3 U6#2.17
Board_1-/PORT+: J1.A6 J1.B6 U1#2.6
Board_1-/PORT-: J1.A7 J1.B7 U1#2.4
Board_1-/QSPI_CLK: U5#3.6 U6#2.52
Board_1-/QSPI_CS: R6#3.1 R7#2.2 U5#3.1 U6#2.56
Board_1-/QSPI_SD0: U5#3.5 U6#2.53
Board_1-/QSPI_SD1: U5#3.2 U6#2.55
Board_1-/QSPI_SD2: U5#3.3 U6#2.54
Board_1-/QSPI_SD3: U5#3.7 U6#2.51
Board_1-/RGB_5V: D2#3.4 R3.2
Board_1-/RGB_DO: U4.3 U6#2.37
Board_1-/RGB_PWR: C1#3.1 C2#2.1 C3.1 C4#3.1 C5#2.1 C6#2.1 C9#2.1 C12#4.1 C13#3.1 C14.1 C15.1 C16#3.1 C18#2.1 C19.1 C20#2.1 C28.1 C29#2.1 C30#3.1 C31.1 C36#2.1 C41#2.1 C42#2.1 C43#3.1 C44#4.1 C45#2.1 C46#3.1 C47#2.1 C48#2.1 C49#2.1 C50#3.1 C51#2.1 D1#2.1 D2#3.1 D3#3.1 D4#2.1 D5#3.1 D6#2.1 D7#3.1 D8.1 D9.4 D10#2.4 D11.4 D12#3.4 D13.4 D14#2.4 D15#2.4 D16.4 D17#4.4 D18#3.4 D19#4.4 D20#3.4 D21#2.4 D22.4 D23#2.4 D24#2.4 D25#4.4 D26#4.4 D27.4 D28#3.4 D29#2.4 D30#3.4 D31.4 U3.6
Board_1-/RST: J3.3 U6#2.26
Board_1-/S1: MX1#3.2 U6#2.39
Board_1-/S2: MX2#2.2 U6#2.41
Board_1-/S3: MX3#2.S1 U6#2.12
Board_1-/S4: MX4#2.2 U6#2.38
Board_1-/S5: MX5#2.2 U6#2.40
Board_1-/S6: MX6.2 U6#2.11
Board_1-/S7: MX7#2.2 U6#2.29
Board_1-/S8: MX8#2.2 U6#2.28
Board_1-/S9: MX9#4.2 U6#2.15
Board_1-/SCL1: J2#2.4 U6#2.5
Board_1-/SDA1: J2#2.3 U6#2.4
Board_1-/SPI0_CS: J2#2.5 U6#2.32
Board_1-/SPI0_DC: J2#2.6 U6#2.30
Board_1-/SPI0_RST: J2#2.9 U6#2.36
Board_1-/SPI0_SCK: J2#2.10 U6#2.34
Board_1-/SPI0_SDI: J2#2.8 U6#2.31
Board_1-/SPI0_SDO: J2#2.7 U6#2.35
Board_1-/SWD_CLK: J3.4 U6#2.24
Board_1-/SWD_IO: J3.2 U6#2.25
Board_1-/USB+: R8.1 U1#2.1
Board_1-/USB-: R9#2.1 U1#2.3
Board_1-GND: C1#3.2 C2#2.2 C3.2 C4#3.2 C5#2.2 C6#2.2 C7#3.2 C8#4.2 C9#2.2 C10#2.2 C11#3.2 C12#4.2 C13#3.2 C14.2 C15.2 C16#3.2 C17#2.2 C18#2.2 C19.2 C20#2.2 C21.2 C22#2.1 C23#2.2 C24#3.2 C25#2.2 C26#3.1 C27#4.2 C28.2 C29#2.2 C30#3.2 C31.2 C32#3.2 C33#2.2 C34#3.2 C35#2.2 C36#2.2 C37#3.1 C38#3.2 C39.2 C40#2.1 C41#2.2 C42#2.2 C43#3.2 C44#4.2 C45#2.2 C46#3.2 C47#2.2 C48#2.2 C49#2.2 C50#3.2 C51#2.2 D1#2.3 D2#3.3 D3#3.3 D4#2.3 D5#3.3 D6#2.3 D7#3.3 D8.3 D9.2 D10#2.2 D11.2 D12#3.2 D13.2 D14#2.2 D15#2.2 D16.2 D17#4.2 D18#3.2 D19#4.2 D20#3.2 D21#2.2 D22.2 D23#2.2 D24#2.2 D25#4.2 D26#4.2 D27.2 D28#3.2 D29#2.2 D30#3.2 D31.2 FB1#2.2 J1.A1 J1.A12 J1.B1 J1.B12 J2#2.1 J2#2.2 J3.5 MX1#3.1 MX2#2.1 MX3#2.C MX3#2.S2 MX4#2.1 MX5#2.1 MX6.1 MX7#2.1 MX8#2.1 MX9#4.1 R1#2.1 R2#3.1 R4.1 R5#2.2 U1#2.2 U2#3.2 U3.2 U4.2 U5#3.4 U5#3.9 U5#3.10 U6#2.19 U6#2.57 Y1#2.2 Y1#2.4
Board_1-Net-(C40-Pad2): C40#2.2 R10#4.1 Y1#2.1
Board_1-Net-(D1-DIN): D1#2.4 D2#3.2
Board_1-Net-(D1-DOUT): D1#2.2 D3#3.4
Board_1-Net-(D3-DOUT): D3#3.2 D4#2.4
Board_1-Net-(D4-DOUT): D4#2.2 D5#3.4
Board_1-Net-(D5-DOUT): D5#3.2 D8.4
Board_1-Net-(D6-DIN): D6#2.4 D7#3.2
Board_1-Net-(D7-DIN): D7#3.4 D8.2
Board_1-Net-(D10-DIN): D9.1 D10#2.3
Board_1-Net-(D10-DOUT): D10#2.1 D11.3
Board_1-Net-(D11-DOUT): D11.1 D12#3.3
Board_1-Net-(D12-DOUT): D12#3.1 D13.3
Board_1-Net-(D13-DOUT): D13.1 D15#2.3
Board_1-Net-(D14-DIN): D14#2.3 D16.1
Board_1-Net-(D14-DOUT): D9.3 D14#2.1
Board_1-Net-(D15-DOUT): D15#2.1 D17#4.3
Board_1-Net-(D16-DIN): D16.3 D18#3.1
Board_1-Net-(D17-DOUT): D17#4.1 D19#4.3
Board_1-Net-(D18-DIN): D18#3.3 D20#3.1
Board_1-Net-(D19-DOUT): D19#4.1 D21#2.3
Board_1-Net-(D20-DIN): D20#3.3 D22.1
Board_1-Net-(D21-DOUT): D21#2.1 D23#2.3
Board_1-Net-(D22-DIN): D22.3 D24#2.1
Board_1-Net-(D23-DOUT): D23#2.1 D25#4.3
Board_1-Net-(D24-DIN): D24#2.3 D26#4.1
Board_1-Net-(D26-DIN): D26#4.3 D27.1
Board_1-Net-(D27-DIN): D27.3 D28#3.1
Board_1-Net-(D28-DIN): D28#3.3 D29#2.1
Board_1-Net-(D29-DIN): D29#2.3 D30#3.1
Board_1-Net-(D30-DIN): D30#3.3 D31.1
Board_1-Net-(D31-DIN): D6#2.2 D31.3
Board_1-Net-(F1-Pad1): F1#4.1 J1.A4 J1.A9 J1.B4 J1.B9
Board_1-Net-(J1-CC1): J1.A5 R2#3.2
Board_1-Net-(J1-CC2): J1.B5 R1#2.2
Board_1-Net-(J1-SHIELD): FB1#2.1 J1.S1
Board_1-Net-(RN1A-R1.1): MX3#2.B RN1#2.1 RN1#2.7
Board_1-Net-(RN1C-R3.2): MX3#2.A RN1#2.4 RN1#2.6
Board_1-Net-(U1-VBUS): C10#2.1 F1#4.2 FB2#2.1 U1#2.5
Board_1-Net-(U3-ILIM): R5#2.1 U3.5
Board_1-Net-(U4-B): R3.1 U4.4
Board_1-Net-(U6-XTAL_IN): C37#3.2 U6#2.20 Y1#2.3
Board_1-Net-(U6-XTAL_OUT): R10#4.2 U6#2.21
Board_1-unconnected-(D25-DOUT-Pad1): D25#4.1
Board_1-unconnected-(J1-SBU1-PadA8): J1.A8
Board_1-unconnected-(J1-SBU2-PadB8): J1.B8
Board_1-unconnected-(U2-NC-Pad4): U2#3.4
Board_1-unconnected-(U3-~{FAULT}-Pad4): U3.4
Board_1-unconnected-(U6-GPIO0-Pad2): U6#2.2
Board_1-unconnected-(U6-GPIO1-Pad3): U6#2.3
Board_1-unconnected-(U6-GPIO4-Pad6): U6#2.6
Board_1-unconnected-(U6-GPIO5-Pad7): U6#2.7
Board_1-unconnected-(U6-GPIO6-Pad8): U6#2.8
Board_1-unconnected-(U6-GPIO7-Pad9): U6#2.9
Board_1-unconnected-(U6-GPIO13-Pad16): U6#2.16
Board_1-unconnected-(U6-GPIO15-Pad18): U6#2.18
Board_1-unconnected-(U6-GPIO16-Pad27): U6#2.27
Board_2-+1V1: C22#3.2 C25#3.1 C39#2.1 U6#4.23 U6#4.45 U6#4.50
Board_2-+3V3: C17#3.1 C21#3.1 C23#3.1 C24#4.1 C26#4.2 C27#2.1 C32#4.1 C33#3.1 C34#2.1 C35#3.1 C38.1 J2#3.11 J2#3.12 J3#2.1 R7.1 RN1#3.5 RN1#3.8 U2#4.5 U4#2.1 U4#2.5 U5#4.8 U6#4.1 U6#4.10 U6#4.22 U6#4.33 U6#4.42 U6#4.43 U6#4.44 U6#4.48 U6#4.49
Board_2-+5V: C11.1 FB2#3.2 U2#4.1 U2#4.3 U3#3.1 U4#2.6
Board_2-/BOOT: J3#2.6 R6#2.2
Board_2-/D+: R8#2.2 U6#4.47
Board_2-/D-: R9#3.2 U6#4.46
Board_2-/EA: C7#2.1 RN1#3.2 U6#4.13
Board_2-/EB: C8.1 RN1#3.3 U6#4.14
Board_2-/LIM_EN: R4#2.2 U3#3.3 U6#4.17
Board_2-/PORT+: J1#4.A6 J1#4.B6 U1#3.6
Board_2-/PORT-: J1#4.A7 J1#4.B7 U1#3.4
Board_2-/QSPI_CLK: U5#4.6 U6#4.52
Board_2-/QSPI_CS: R6#2.1 R7.2 U5#4.1 U6#4.56
Board_2-/QSPI_SD0: U5#4.5 U6#4.53
Board_2-/QSPI_SD1: U5#4.2 U6#4.55
Board_2-/QSPI_SD2: U5#4.3 U6#4.54
Board_2-/QSPI_SD3: U5#4.7 U6#4.51
Board_2-/RGB_5V: D2#4.4 R3#4.2
Board_2-/RGB_DO: U4#2.3 U6#4.37
